# Altium PCB ГРЛМ.687253.024.PcbDoc (part 1 of 2) (continued)
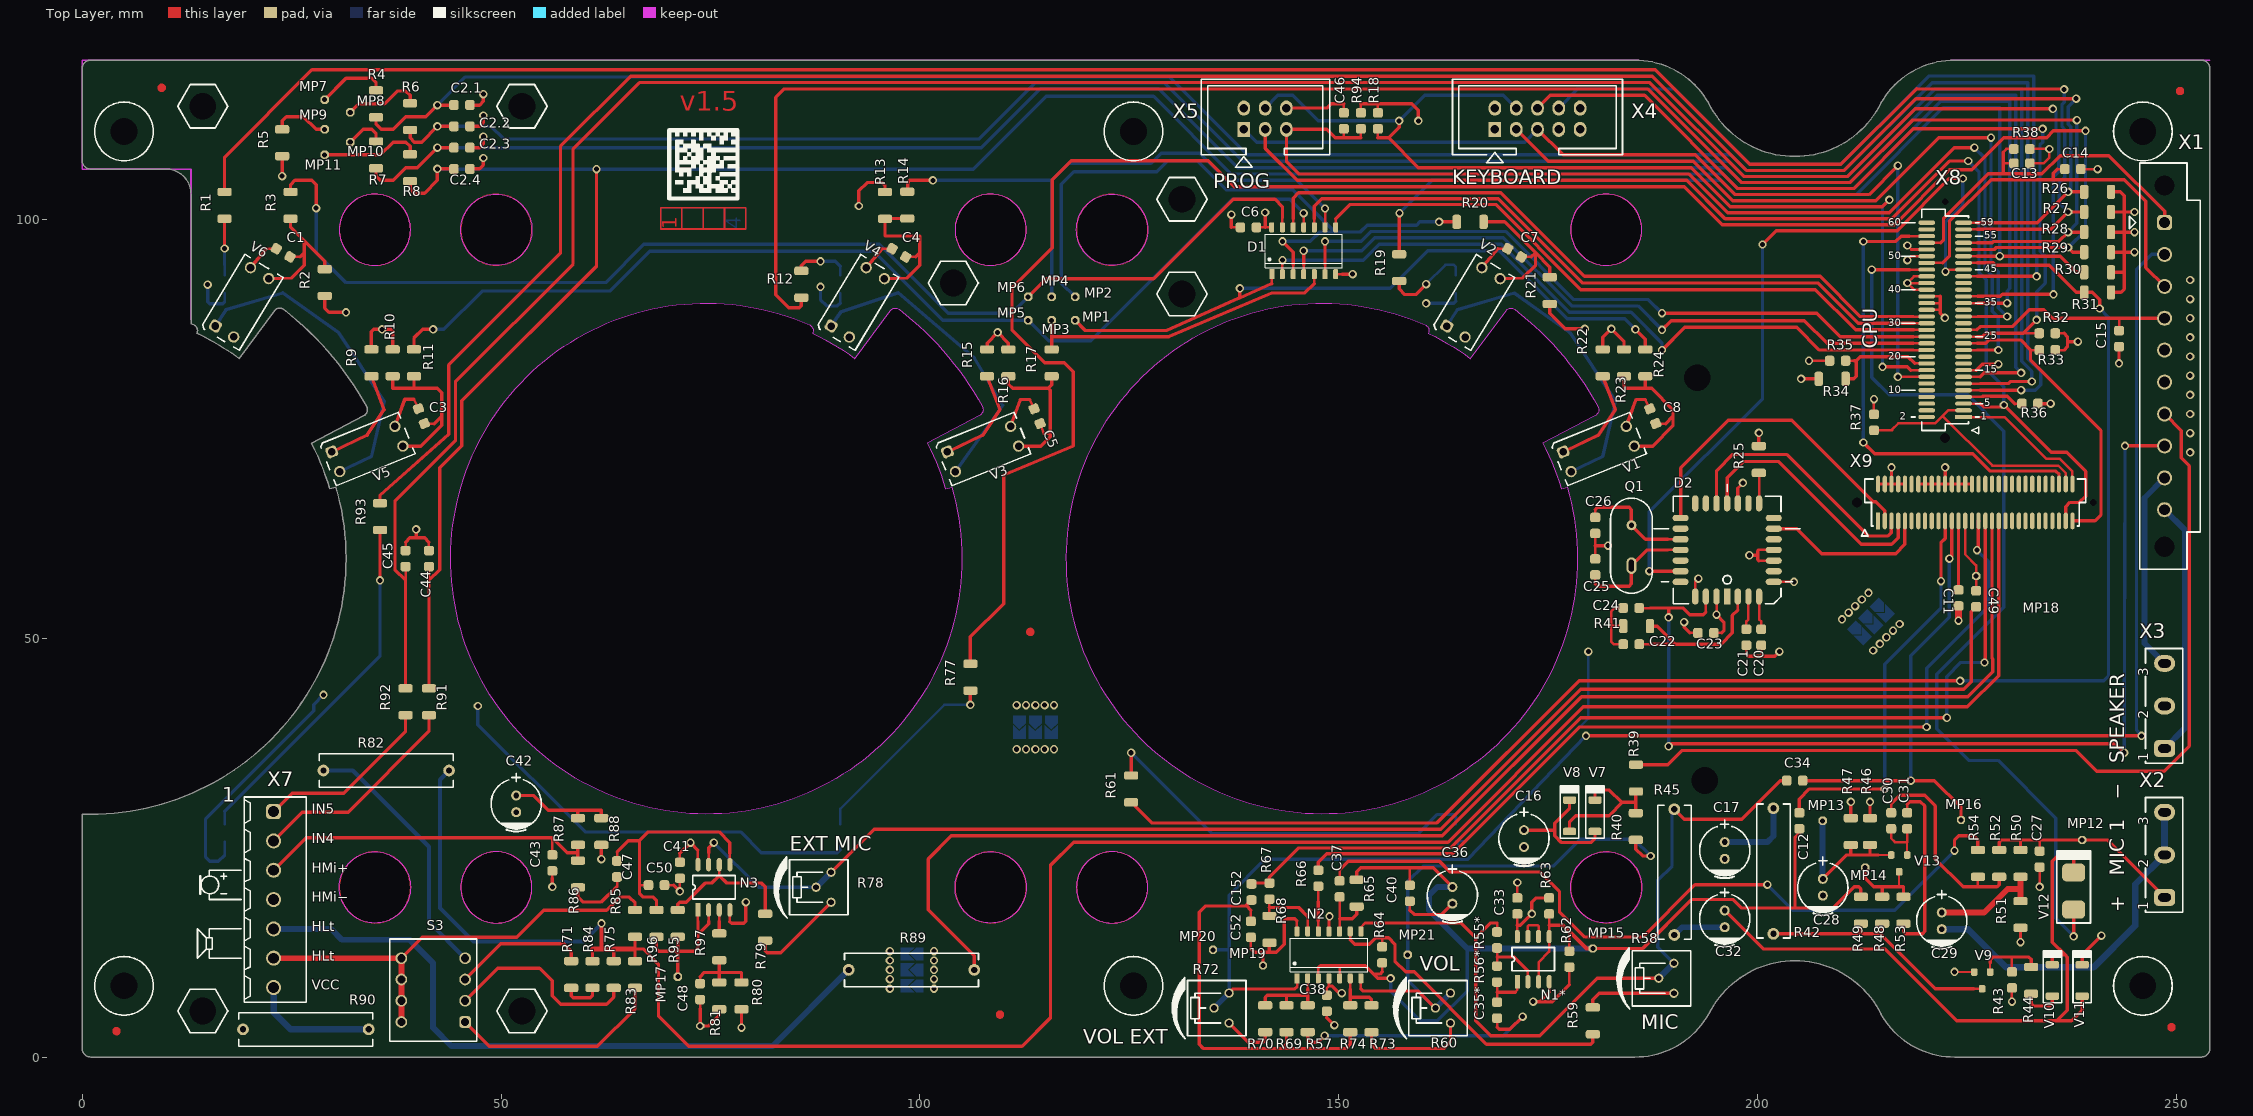
[diagram p0: Top Layer view]
## Components (designator, comment, footprint, x,y, rotation, side; value= is the part's Value field where it differs from the comment) (continued)
R48 "100K" "SMD Resistor 1206" 214.884,17.526 r270 top
R49 "4.7M" "SMD Resistor 1206" 212.344,17.526 r90 top
R50 "2.2K" "SMD Resistor 1206" 231.394,23.114 r90 top
R51 "3.3K" "SMD Resistor 1206" 231.394,17.018 r270 top
R52 "12K" "SMD Resistor 1206" 228.854,23.114 r270 top
R53 "150K" "SMD Resistor 1206" 217.424,17.526 r90 top
R54 "390Ω" "SMD Resistor 1206" 226.314,23.114 r90 top
R55* "10K" "SMD Resistor 0805" 168.91,13.97 r270 top
R56* "22K" "SMD Resistor 0805" 168.91,9.906 r270 top
R57 "47K" "SMD Resistor 1206" 146.304,4.572 r90 top
R58 "100K" "3362H SQUARE TRIMMING POTENTIOMETER" 188.214,9.398 r90 top
R59 "330Ω" "SMD Resistor 1206" 180.34,4.318 r90 top
R60 "100K" "3362H SQUARE TRIMMING POTENTIOMETER" 161.544,5.842 r90 top
R61 "1K" "SMD Resistor 1206" 125.222,32.004 r90 top
R62 "120K" "SMD Resistor 0805" 177.546,11.684 r90 top
R63 "160K" "SMD Resistor 0805" 175.133,18.034 r90 top
R64 "4.7K" "SMD Resistor 0805" 155.194,12.192 r90 top
R65 "100K" "SMD Resistor 1206" 152.146,19.558 r270 top
R66 "56K" "SMD Resistor 0805" 147.574,21.336 r270 top
R67 "56K" "SMD Resistor 0805" 141.732,19.812 r270 top
R68 "56K" "SMD Resistor 1206" 141.732,15.24 r270 top
R69 "68K" "SMD Resistor 1206" 143.764,4.572 r90 top
R70 "330Ω" "SMD Resistor 1206" 141.224,4.572 r270 top
R71 "100Ω" "SMD Resistor 1206" 58.38,9.852 r90 top
R72 "100K" "3362H SQUARE TRIMMING POTENTIOMETER" 135.128,5.842 r90 top
R73 "330Ω" "SMD Resistor 1206" 153.924,4.572 r270 top
R74 "82K" "SMD Resistor 1206" 151.384,4.572 r90 top
R75 "470Ω" "SMD Resistor 1206" 63.46,9.852 r270 top
R77 "1K" "SMD Resistor 1206" 106.037,45.335 r270 top
R78 "100K" "3362H SQUARE TRIMMING POTENTIOMETER" 87.612,20.266 r90 top
R79 "330Ω" "SMD Resistor 1206" 81.534,15.494 r270 top
R80 "120K" "SMD Resistor 1206" 78.704,7.3 r270 top
R81 "100K" "SMD Resistor 1206" 76.055,7.3 r90 top
R82 "82Ω" "RESISTOR FMP100 1W YAGEO" 36.3,34.2 r180 top
R83 "1K" "SMD Resistor 1206" 66,9.852 r270 top
R84 "120Ω" "SMD Resistor 1206" 60.92,9.852 r270 top
R85 "1K" "SMD Resistor 1206" 66,15.948 r90 top
R86 "6.8K" "SMD Resistor 1206" 59.182,21.844 r270 top
R87 "2.2K" "SMD Resistor 1206" 59.182,26.924 r90 top
R88 "3.3K" "SMD Resistor 1206" 61.976,26.924 r270 top
R89 "15Ω" "RESISTOR FMP100 1W YAGEO" 99,10.4 r180 top
R90 "15Ω" "RESISTOR FMP100 1W YAGEO" 26.7,3.3 r180 top
R91 "3.3K" "SMD Resistor 1206" 41.402,42.418 r270 top
R92 "3.3K" "SMD Resistor 1206" 38.608,42.418 r270 top
R93 "1K" "SMD Resistor 1206" 35.56,64.516 r270 top
R94 "10K" "SMD Resistor 0805" 152.654,111.76 r270 top
R95 "6.8K" "SMD Resistor 1206" 71.102,15.948 r90 top
R96 "100K" "SMD Resistor 1206" 68.562,15.948 r90 top
R97 "12K" "SMD Resistor 1206" 76.055,13.154 r90 top
S3 "DS1040-04RN" "DS1040-04 DIP SWITCH" 41.91,7.986 r90 top
V1 "OPB620" "OPB620 OPTOCOUPLER" 181.044,72.583 r22 top locked
V2 "OPB620" "OPB620 OPTOCOUPLER" 166.091,90.091 r59 top locked
V3 "OPB620" "OPB620 OPTOCOUPLER" 107.544,72.583 r22 top locked
V4 "OPB620" "OPB620 OPTOCOUPLER" 92.591,90.091 r59 top locked
V5 "OPB620" "OPB620 OPTOCOUPLER" 34.044,72.588 r22 top locked
V6 "OPB620" "OPB620 OPTOCOUPLER" 19.091,90.096 r59 top locked
V7 "LL4148-GSxx" "Diode SOD80C (Anode pin 1)" 180.6,28.8 r270 top
V8 "LL4148-GSxx" "Diode SOD80C (Anode pin 1)" 177.56,28.8 r270 top
V9 "BC856A" "Transistor BC856 SOT23 (PNP transistor)" 226.822,9.144 r0 top
V10 "LL4148-GS" "Diode SOD80C (Anode pin 1)" 235.204,9.144 r270 top
V11 "LL4148-GS" "Diode SOD80C (Anode pin 1)" 238.76,9.144 r270 top
V12 "MURS120T3x" "Diode SMB (DO-214AA)" 237.744,19.812 r270 top
V13 "BFR31" "Transistor BFR31 SOT23 (FET N-channel)" 216.916,23.114 r0 top
VCC2 "Crossing point PCB" "CROSSING POINT PCB" 99.061,10.403 r0 bottom
X1 "Connector 10 pins (universal)" "Connector 15EDGVM-3.81-10P" 248.6,82.48 r270 top locked
X2 "62395-1 (3ps)" "Faston Connector 3 x 2.8 mm" 248.6,24.13 r90 top
X3 "62395-1 (3ps)" "Faston Connector 3 x 2.8 mm" 248.6,41.91 r90 top
X4 "BH-10" BH-10 173.736,112.014 r90 top
X5 "BH-6 (DS1013-06S) (IDC-6MS)" BH-6 141.224,112.014 r90 top locked
X7 "DG381-3.5-07P" "DG381-3.5-07P Terminals" 22.86,18.796 r270 top locked
X8 "5177983-2" "CONNECTOR 5177983-2" 222.4,88 r180 top locked
X9 "5177983-2" "Connector 5177983-2" 226,66.2 r90 top locked

## Footprints (in the part's own frame and the unit in brackets; to place one, negate y for a bottom-side part, rotate by r counter-clockwise, add the part's x,y. Pads: shape width x height; smd on the part's side, far side on the other; paste and mask are expansions set on the pad)
"3362H SQUARE TRIMMING POTENTIOMETER" [mm] "Square Trimpot® Trimming Potentiometer"
  round 1.1 / inner round 1.1 / far side oval 1.1x1.3 hole 0.7: 1(-1.792,-1.8) 2(0,0) 3(1.792,-1.8)
  silkscreen extent -3.67,-3.81 3.64,4.99, body extent -3.3,-3.81 3.3,3.18, height 4.75
BH-6 [mm] "BH-6 (DS1013-06S) (IDC-6MS)"
  rect 1.8x1.5 hole 1.02: 1(-1.27,2.54)
  oval 1.8x1.5 hole 1.02: 2(1.27,2.54) 3(-1.27,0) 4(1.27,0) 5(-1.27,-2.54) 6(1.27,-2.54)
  silkscreen extent -5.78,-7.71 4.7,7.61, body extent -4.4,-7.71 4.4,7.71, height 9.05
BH-10 [mm] "BH-10 (DS1013-10S) (IDC-10MS)"
  rect 1.8x1.5 hole 1.02: 1(-1.27,5.08)
  oval 1.8x1.5 hole 1.02: 2(1.27,5.08) 3(-1.27,2.54) 4(1.27,2.54) 5(-1.27,0) 6(1.27,0) 7(-1.27,-2.54) 8(1.27,-2.54) 9(-1.27,-5.08) 10(1.27,-5.08)
  silkscreen extent -5.27,-10.15 4.7,10.15, body extent -4.3,-10.15 4.7,10.15, height 8.95
"CAPACITOR  ELECTROLYTIC 5X11MM" [mm] "Capacitor  electrolytic 5x11mm"
  round 1.2 / inner round 1.2 / far side oval 1.2x1.6 hole 0.7: 1(-1,0) 2(1,0)
  silkscreen extent -3.65,-3 3.3,3, body extent -2.75,-2.75 2.75,2.75, height 12.55
"Connector 15EDGVM-3.81-10P" [mm] "15EDGVM-3.81-10P Connector 10 poles by Degson 3.81 mm pitch"
  round 0 hole 2.4 unplated: 0(-21.565,0) 0(21.565,0)
  rrect50% 1.8x1.8 / inner round 1.8 / far side rrect50% 1.8x2.5 hole 1.3: 1(-17.145,0)
  round 1.8 / inner round 1.8 / far side oval 1.8x2.5 hole 1.3: 2(-13.335,0) 3(-9.525,0) 4(-5.715,0) 5(-1.905,0) 6(1.905,0) 7(5.715,0) 8(9.525,0) 9(13.335,0) 10(17.145,0)
  silkscreen extent -24.25,-4.19 24.24,4.26, body extent -24.25,-2.98 24.24,4.26, height 9.2
"CONNECTOR 5177983-2" [mm]
  rect 2x0.5 smd: 1(-2.2,11.6)
  oval 2x0.5 smd: 2(2.2,11.6) 3(-2.2,10.8) 4(2.2,10.8) 5(-2.2,10) 6(2.2,10) 7(-2.2,9.2) 8(2.2,9.2) 9(-2.2,8.4) 10(2.2,8.4) 11(-2.2,7.6) 12(2.2,7.6) 13(-2.2,6.8) 14(2.2,6.8) 15(-2.2,6) 16(2.2,6) 17(-2.2,5.2) 18(2.2,5.2) 19(-2.2,4.4) 20(2.2,4.4) 21(-2.2,3.6) 22(2.2,3.6) 23(-2.2,2.8) 24(2.2,2.8) 25(-2.2,2) 26(2.2,2) 27(-2.2,1.2) 28(2.2,1.2) 29(-2.2,0.4) 30(2.2,0.4) 31(-2.2,-0.4) 32(2.2,-0.4) 33(-2.2,-1.2) 34(2.2,-1.2) 35(-2.2,-2) 36(2.2,-2) 37(-2.2,-2.8) 38(2.2,-2.8) 39(-2.2,-3.6) 40(2.2,-3.6) 41(-2.2,-4.4) 42(2.2,-4.4) 43(-2.2,-5.2) 44(2.2,-5.2) 45(-2.2,-6) 46(2.2,-6) 47(-2.2,-6.8) 48(2.2,-6.8) 49(-2.2,-7.6) 50(2.2,-7.6) 51(-2.2,-8.4) 52(2.2,-8.4) 53(-2.2,-9.2) 54(2.2,-9.2) 55(-2.2,-10) 56(2.2,-10) 57(-2.2,-10.8) 58(2.2,-10.8) 59(-2.2,-11.6) 60(2.2,-11.6)
  round 0 hole 1.2 unplated: 61(0,14.1)
  round 0 hole 0.8 unplated: 62(0,-14.1)
  silkscreen extent -4,-13.2 2.8,13.6, body extent -3,-14.9 3,14.9, height 3.8
"Connector 5177983-2" [mm]
  rect 2x0.5 smd: 1(-2.2,11.6)
  oval 2x0.5 smd: 2(2.2,11.6) 3(-2.2,10.8) 4(2.2,10.8) 5(-2.2,10) 6(2.2,10) 7(-2.2,9.2) 8(2.2,9.2) 9(-2.2,8.4) 10(2.2,8.4) 11(-2.2,7.6) 12(2.2,7.6) 13(-2.2,6.8) 14(2.2,6.8) 15(-2.2,6) 16(2.2,6) 17(-2.2,5.2) 18(2.2,5.2) 19(-2.2,4.4) 20(2.2,4.4) 21(-2.2,3.6) 22(2.2,3.6) 23(-2.2,2.8) 24(2.2,2.8) 25(-2.2,2) 26(2.2,2) 27(-2.2,1.2) 28(2.2,1.2) 29(-2.2,0.4) 30(2.2,0.4) 31(-2.2,-0.4) 32(2.2,-0.4) 33(-2.2,-1.2) 34(2.2,-1.2) 35(-2.2,-2) 36(2.2,-2) 37(-2.2,-2.8) 38(2.2,-2.8) 39(-2.2,-3.6) 40(2.2,-3.6) 41(-2.2,-4.4) 42(2.2,-4.4) 43(-2.2,-5.2) 44(2.2,-5.2) 45(-2.2,-6) 46(2.2,-6) 47(-2.2,-6.8) 48(2.2,-6.8) 49(-2.2,-7.6) 50(2.2,-7.6) 51(-2.2,-8.4) 52(2.2,-8.4) 53(-2.2,-9.2) 54(2.2,-9.2) 55(-2.2,-10) 56(2.2,-10) 57(-2.2,-10.8) 58(2.2,-10.8) 59(-2.2,-11.6) 60(2.2,-11.6)
  round 0 hole 1.2 unplated: 61(0,14.1)
  round 0 hole 0.8 unplated: 62(0,-14.1)
  silkscreen extent -4,-13.2 2.8,13.6, body extent -3,-14.9 3,14.9, height 3.8
"CROSSING POINT PCB" [mm]
  rect 0.7x1.4 smd paste+0 mask+0: 1(0.95,-1.905) 1(0.95,0) 1(0.95,1.905) 2(-0.95,-1.905) 2(-0.95,0) 2(-0.95,1.905)
  Top Layer region: -0.25,-1.905 0.5,-2.655 1.35,-2.655 1.35,-1.155 0.5,-1.155
  Top Layer region: -1.35,-1.155 0.254,-1.155 -0.502,-1.911 0.254,-2.667 -1.35,-2.667
  Top Layer region: -1.35,0.75 0.254,0.75 -0.502,-0.006 0.254,-0.762 -1.35,-0.762
  Top Layer region: -0.25,0 0.5,-0.75 1.35,-0.75 1.35,0.75 0.5,0.75
  Top Layer region: -1.35,2.655 0.254,2.655 -0.502,1.899 0.254,1.143 -1.35,1.143
  Top Layer region: -0.25,1.905 0.5,1.155 1.35,1.155 1.35,2.655 0.5,2.655
"DG381-3.5-07P Terminals" [mm] "DG381-3.5-07P Terminal 7 poles by Degson 3.5 mm pitch"
  rrect50% 1.8x1.8 / inner round 1.8 / far side rrect50% 1.8x2.5 hole 1.3: 1(-10.5,0)
  round 1.8 / inner round 1.8 / far side oval 1.8x2.5 hole 1.3: 2(-7,0) 3(-3.5,0) 4(0,0) 5(3.5,0) 6(7,0) 7(10.5,0)
  silkscreen extent -12.25,-3.5 12.26,3.9, body extent -12.66,-3.5 12.26,3.9, height 8.65
"Diode SMB (DO-214AA)" [mm]
  rrect50% 2.159x2.743 smd: 1(2.21,0) 2(-2.21,0)
  silkscreen extent -4.83,-2.03 3.81,2.03, body extent -2.8,-2 2.8,2, height 2.6
"Diode SOD80C (Anode pin 1)" [mm] "Diode SMA (Anode pin 1)"
  rrect50% 0.9x1.6 smd: 1(1.875,0) 2(-1.875,0)
  silkscreen extent -3.56,-1.2 2.67,1.2, body extent -1.85,-0.8 1.85,0.8, height 1.58
"DS1040-04 DIP SWITCH" [mm] "DS1040-04 DIP-switch 4 channels NO by Connfly"
  rrect50% 1.4x1.4 / inner round 0 / far side rrect50% 1.5x2 hole 0.97: 1(-3.81,-3.81)
  round 1.4 / inner round 0 / far side oval 1.5x2 hole 0.97: 2(-1.27,-3.81) 3(1.27,-3.81) 4(3.81,-3.81) 5(3.81,3.81) 6(1.27,3.81) 7(-1.27,3.81) 8(-3.81,3.81)
  silkscreen extent -6.1,-5.21 6.1,5.21, body extent -5.81,-4.95 5.81,4.95, height 6.85
"Faston Connector 3 x 2.8 mm" [mm] "Connector: 3 x Faston Pin 2.8 mm"
  rrect50% 2x2.5 / inner rrect50% 1.6x2 / far side rrect50% 2x2.5 hole 1.5 slot 1 at 0 deg: 1(-5.08,0)
  oval 2x2.5 / inner oval 1.6x2 / far side oval 2x2.5 hole 1.5 slot 1 at 0 deg: 2(0,0) 3(5.08,0)
  silkscreen extent -6.86,-2.16 6.86,2.29, body extent -5.33,-1.98 5.33,1.98, height 8.45
"HC-49U QUARTZ CRYSTAL RESONATOR" [mm] "HC-49/U Standard Quartz Crystal"
  round 1.2 / inner round 0 / far side round 1.2 hole 0.6: 1(-2.44,0)
  oval 2x1.2 / inner round 0 / far side oval 2x1.2 hole 0.6 slot 1.4 at 0 deg: 2(2.382,0)
  silkscreen extent -5.67,-2.5 5.67,2.5, body extent -5.67,-2.5 5.68,2.5, height 3.8
"LED SMD FYLS-0805URC" [mm] "FYLS-0805URC LED SMD"
  rrect50% 1.2x1.2 smd: 1(-1.05,0) 2(1.05,0)
  silkscreen extent 1.85,-0.7 2.25,0.7, body extent -1,-0.62 1,0.63, height 0.81
"OPB620 OPTOCOUPLER" [mm] "OPB620 Optocoupler by TT Electronics"
  rrect50% 1.35x1.35 / inner rrect50% 1.35x1.35 / far side rrect50% 1.7x1.7 hole 0.9: 1(-4.065,1.27)
  round 1.35 / inner round 1.35 / far side round 1.7 hole 0.9: 2(-4.065,-1.27) 3(4.065,-1.27) 4(4.065,1.27)
  silkscreen extent -5.08,-2.67 5.08,2.67, body extent -4.95,-2.66 4.96,2.67, height 9.27
"PLCC28 SMD" [mm]
  rect 0.76x1.92 smd: 1(0,5.56)
  oval 0.76x1.92 smd: 2(-1.27,5.56) 3(-2.54,5.56) 4(-3.81,5.56) 12(-3.81,-5.56) 13(-2.54,-5.56) 14(-1.27,-5.56) 15(0,-5.56) 16(1.27,-5.56) 17(2.54,-5.56) 18(3.81,-5.56) 26(3.81,5.56) 27(2.54,5.56) 28(1.27,5.56)
  oval 1.92x0.76 smd: 5(-5.56,3.81) 6(-5.56,2.54) 7(-5.56,1.27) 8(-5.56,0) 9(-5.56,-1.27) 10(-5.56,-2.54) 11(-5.56,-3.81) 19(5.56,-3.81) 20(5.56,-2.54) 21(5.56,-1.27) 22(5.56,0) 23(5.56,1.27) 24(5.56,2.54) 25(5.56,3.81)
  silkscreen extent -6.42,-6.42 6.42,6.42, body extent -6.22,-6.22 6.23,6.23, height 4.57
"Resistor FMP100 1W Yageo" [mm] "Film Resistor FMP100 1W horisontal 10.16 mm by Yageo"
  round 1.4 / inner round 0 / far side round 1.6 hole 0.75: 1(-7.5,0) 2(7.5,0)
  silkscreen extent -8,-2 8,2, body extent -7.78,-2 7.78,2, height 4.5
"RESISTOR FMP100 1W YAGEO" [mm] "Film Resistor FMP100 1W horisontal 10.16 mm by Yageo"
  round 1.4 / inner round 1.1 / far side round 1.6 hole 0.75: 1(-7.5,0) 2(7.5,0)
  silkscreen extent -8,-2 8,2, body extent -7.78,-2 7.78,2, height 4.5
"SMD Capacitor 0805" [mm] "Without marking on surface"
  rrect50% 1.14x1.2 smd: 1(-0.955,0) 2(0.955,0)
  body extent -1.02,-0.63 0.98,0.62, height 0.8
"SMD Resistor 0805" [mm] "Without marking on surface"
  rrect50% 1.14x1.2 smd: 1(-0.955,0) 2(0.955,0)
  body extent -1,-0.62 1,0.63, height 0.6
"SMD Resistor 1206" [mm]
  rrect50% 1x1.7 smd: 1(-1.6,0) 2(1.6,0)
  body extent -1.65,-0.85 1.65,0.85, height 0.65
"SO8 (SOIC-8)" [mm]
  rect 1.6x0.6 smd: 1(-2.7,1.905)
  oval 1.6x0.6 smd: 2(-2.7,0.635) 3(-2.7,-0.635) 4(-2.7,-1.905) 5(2.7,-1.905) 6(2.7,-0.635) 7(2.7,0.635) 8(2.7,1.905)
  silkscreen extent -1.4,-2.54 1.4,2.54, body extent -3.02,-2.51 3.02,2.51, height 1.6
SO14 [mm] "SOIC; 14 Leads; Body Width 3.8 mm; Pitch 1.27 mm"
  rect 0.6x1.2 smd: 1(-3.81,-2.8)
  rrect50% 0.6x1.2 smd: 2(-2.54,-2.8) 3(-1.27,-2.8) 4(0,-2.8) 5(1.27,-2.8) 6(2.54,-2.8) 7(3.81,-2.8) 8(3.81,2.8) 9(2.54,2.8) 10(1.27,2.8) 11(0,2.8) 12(-1.27,2.8) 13(-2.54,2.8) 14(-3.825,2.8)
  silkscreen extent -4.6,-2 4.6,2, body extent -4.4,-3 4.4,3, height 1.7
"TEST POINT SMD" [mm]
  oct 1x1 / inner round 0 / far side oct 1x1 hole 0.6: 1(0,0)
"Transistor BC856 SOT23 (PNP transistor)" [mm] "Transistor BC856 PNP Transistor"
  rrect50% 0.8x0.9 smd: 1(0.95,1) 2(-0.95,1) 3(0,-1)
  body extent -1.46,-1.16 1.46,1.18, height 1
"Transistor BFR31 SOT23 (FET N-channel)" [mm] "Transistor BFR31 SOT23 (FET N-channel)"
  rrect50% 0.8x0.9 smd: 1(0.95,1) 2(-0.95,1) 3(0,-1)
  body extent -1.46,-1.16 1.46,1.18, height 1

## Part data
+5V GND VCC2: "Crossing point"
C1 C3 C4 C5 C7 C8 C27 C43 C50: library part Capacitor, Partnumber=CC0805JRNPO0BN102, Type="Конденсатор керамический 1нФ 5% 100В COG SMD 0805", Vendor=Yageo
C2.1 C2.2 C2.3 C2.4: library part Capacitor, Partnumber=AC0805JRNPO0BN102, Type="Конденсатор керамический 1 нФ 10% 100В SMD 0805", Vendor=Yageo
C6 C11 C12 C13 C20 C21 C31 C35*: library part Capacitor, Partnumber=CC0805KRX7R9BB104, Vendor=Yageo
  C6 C11 C12 C13 C20 C21 C35*: Type="Конденсатор керамический 100 нФ 5% 50В SMD 0805"
  C31: Type="Конденсатор керамический 100 нФ 10% 100В X7R SMD 1206"
C14 C22 C44 C45 C46: library part Capacitor, Partnumber=CC0805JRNPO9BN152, Type="Конденсатор керамический 1,5 нФ 5% 50В SMD 0805", Vendor=Yageo
C15 C23 C33 C34 C37 C38 C40 C41 C49: library part Capacitor, Partnumber=CC0805KRX7R9BB103, Type="Конденсатор керамический 10 нФ 5% 50В SMD 0805", Vendor=Yageo
C16 C17 C28 C29 C32 C42: library part "Capacitor Electrolytic", "Capacitor Electrolytic", Partnumber="К50-35-100В-4,7мкФ 5х11мм", Type="Конденсатор электролитический 4,7 мкФ ±20% 100В"
C24: library part Capacitor, Partnumber=CC0805KRX7R9BB223, Type="Конденсатор керамический 22 нФ 5% 50В SMD 0805", Vendor=Yageo
C25 C26: library part Capacitor, Partnumber=CC0805JRNPO0BN330, Type="Конденсатор керамический 33 пФ 5% 100В COG SMD", Vendor=Yageo
C30 C48: library part Capacitor, Partnumber=GRM31MR72A224KA01L, Type="Конденсатор керамический 220 нФ 10% 100В X7R SMD 1206", Vendor=Murata
C36: library part "Capacitor Electrolytic", "Capacitor Electrolytic", Partnumber="К50-35-100В-1мкФ 5х11мм", Type="Конденсатор электролитический 1 мкФ ±20% 100В"
C47: library part Capacitor, Partnumber=CC1206KKX7R0BB104, Type="Конденсатор керамический 100 нФ 10% 100В X7R SMD 1206", Vendor=Yageo
C52 C152: library part Capacitor, Partnumber=GRM21BR71C105K, Type="Конденсатор керамический smd 1 мкФ X7R 10% 16В 0805", Vendor=Yageo
D1: "Hex inverting Schmitt trigger", Package=SOIC14, Partnumber=74HC14D, Type="Шесть инверторов с триггером Шмитта (5V логика)", Vendor="Philips Semiconductors"
D2: library part "MT9172 (PLCC28)", "Digital Subscriber Interface Circuit. Digital Network ISDN Interface Circuit. Full duplex digital  transmitter up to 160 kbit/s.", Package=PLCC28, ComponentLink1Description=ComponentLink1URL, ComponentLink1URL=null, Partnumber=MT9172, Type="Микросхема цифрового интерфейса ISDN", Vendor=MITEL
H1 H2 H3 H4 H5 H6: library part Diode_LED, "Diode_LED", Partnumber=FYLS-0805URC, Type="Светодиод красный SMD", Vendor=Foryard
MP1 MP2 MP3 MP4 MP5 MP6 MP7 MP8 MP9 MP10 MP11 MP12 MP13 MP14 MP15 MP16 MP17 MP18 MP19 MP20 MP21: "SMD Test Point"
N1* N3: library part LMV358D, "Low-power dual operational amplifiers / SO-14", Package=SOIC8, ComponentLink1URL=\STM32F429.pdf, Partnumber=LMV358ID, Type="Операционный усилитель сдвоенный", Vendor=TI
N2: library part LM2902D(DT), "Low-power quad operational amplifiers / SO-14", Package=SOIC14, Partnumber=LM2902D(DT), Type="Операционный усилитель LM2902", Vendor=NXP
Q1: library part "Quartz resonator", "Quartz-crystal resonator", Partnumber="HC49-U 10.24MHz"
R1 R12 R19 R40 R61 R77 R83 R85 R93: library part Resistor, Partnumber=RC1206JR-071KL, Power dissipation=0.25W, Type="Резистор 1,0 кОм 5% 0,25Вт SMD 1206", Vendor=Yageo
R2 R10 R13 R16 R21 R23 R25: library part Resistor, Partnumber=RC1206JR-075K6L, Power dissipation=0.25W, Type="Резистор 5,6 кОм 5% 0,25Вт SMD 1206", Vendor=Yageo
R3 R11 R14 R17 R20 R24 R41 R54: library part Resistor, Partnumber=RC1206JR-07390RL, Power dissipation=0.25W, Type="Резистор 390 Ом 5% 0,25Вт SMD 1206", Vendor=Yageo
R4 R6 R7 R8 R51 R88 R91 R92: library part Resistor, Partnumber=RC1206JR-073K3L, Power dissipation=0.25W, Type="Резистор 3,3 кОм 5% 0,25Вт SMD 1206", Vendor=Yageo
R5 R59 R70 R73 R79: library part Resistor, Partnumber=RC1206JR-07330RL, Power dissipation=0.25W, Type="Резистор 330 Ом 5% 0,25Вт SMD 1206", Vendor=Yageo
R9 R15 R22: library part Resistor, Partnumber=RC1206JR-07560RL, Power dissipation=0.25W, Type="Резистор 560 Ом 5% 0,25Вт SMD 1206", Vendor=Yageo
R18 R32 R33 R35 R36 R37 R55* R94: library part Resistor, Partnumber=RC0805JR-0710KL, Power dissipation=0.125W, Type="Резистор 10 кОм 5% 0,125Вт SMD 0805", Vendor=Yageo
R26 R27 R28 R29 R30 R31: library part Resistor, Partnumber=RC1206JR-071K5L, Power dissipation=0.25W, Type="Резистор 1,5 кОм 5% 0,25Вт SMD 1206", Vendor=Yageo
R34 R48 R65 R81 R96: library part Resistor, Partnumber=RC1206JR-07100KL, Power dissipation=0.25W, Type="Резистор 100 кОм 5% 0,25Вт SMD 1206", Vendor=Yageo
R38: library part Resistor, Partnumber=RC0805JR-07220KL, Power dissipation=0.125W, Type="Резистор 220 кОм 5% 0,125Вт SMD 0805", Vendor=Yageo
R39 R50 R87: library part Resistor, Partnumber=RC1206JR-072K2L, Power dissipation=0.25W, Type="Резистор 2.2 кОм 5% 0,25Вт SMD 1206", Vendor=Yageo
R42: library part Resistor, Partnumber=FMP100JR-52-220R, Power dissipation=1W, Type="Резистор металлоплёночный 221 Ом 1% 1Вт", Vendor=Yageo
R43 R56*: library part Resistor, Partnumber=RC0805JR-0722KL, Power dissipation=0.125W, Type="Резистор 22 кОм 5% 0,125Вт SMD 0805", Vendor=Yageo
R44: library part Resistor, Partnumber=RC1206JR-07680RL, Power dissipation=0.25W, Type="Резистор 680 Ом 5% 0,25Вт SMD 1206", Vendor=Yageo
R45: library part Resistor, Partnumber=FMP100JR-52-750R, Power dissipation=1W, Type="Резистор металлоплёночный 750 Ом 1% 1Вт", Vendor=Yageo
R46 R69: library part Resistor, Partnumber=RC1206JR-0768KL, Power dissipation=0.25W, Type="Резистор 68 кОм 5% 0,25Вт SMD 1206", Vendor=Yageo
R47: library part Resistor, Partnumber=RC1206JR-0715KL, Power dissipation=0.25W, Type="Резистор 15 кОм 5% 0,25Вт SMD 1206", Vendor=Yageo
R49: library part Resistor, Partnumber=RC1206JR-074M7L, Power dissipation=0.25W, Type="Резистор 4,7 МОм 5% 0,25Вт SMD 1206", Vendor=Yageo
R52 R97: library part Resistor, Partnumber=RC1206JR-0712KL, Power dissipation=0.25W, Type="Резистор 12 кОм 5% 0,25Вт SMD 1206", Vendor=Yageo
R53: library part Resistor, Partnumber=RC1206JR-07150KL, Power dissipation=0.25W, Type="Резистор 150 кОм 5% 0,25Вт SMD 1206", Vendor=Yageo
R57: library part Resistor, Partnumber=RC1206JR-0747KL, Power dissipation=0.25W, Type="Резистор 47 кОм 5% 0,25Вт SMD 1206", Vendor=Yageo
R58 R60 R72 R78: library part "Resistor adjustable", Partnumber=3362H-1-104LF, Type="Резистор подстроечный", Vendor=Bourns
R62: library part Resistor, Partnumber=RC0805FR-07120KL, Power dissipation=0.125W, Type="Резистор 120 кОм 1% 0,125Вт SMD 0805", Vendor=Yageo
R63: library part Resistor, Partnumber=RC0805FR-07160KL, Power dissipation=0.125W, Type="Резистор 160 кОм 1% 0,125Вт SMD 0805", Vendor=Yageo
R64: library part Resistor, Partnumber=RC0805JR-074K7L, Power dissipation=0.125W, Type="0.125Вт 0805 4.7 кОм, 5%, Чип резистор (SMD)", Vendor=Yageo
R66 R67: library part Resistor, Partnumber=RC0805JR-0756KL, Power dissipation=0.125W, Type="Резистор 56 кОм 5% 0,125Вт SMD 0805", Vendor=Yageo
R68: library part Resistor, Partnumber=RC1206JR-0756KL, Power dissipation=0.25W, Type="Резистор 56 кОм 5% 0,25Вт SMD 1206", Vendor=Yageo
R71: library part Resistor, Partnumber=RC1206JR-07100RL, Power dissipation=0.25W, Type="Резистор 100 Ом 5% 0,25Вт SMD 1206", Vendor=Yageo
R74: library part Resistor, Partnumber=RC1206JR-0782KL, Power dissipation=0.25W, Type="Резистор 82 кОм 5% 0,25Вт SMD 1206", Vendor=Yageo
R75: library part Resistor, Partnumber=RC1206JR-07470RL, Power dissipation=0.25W, Type="Резистор 470 Ом 5% 0,25Вт SMD 1206", Vendor=Yageo
R80: library part Resistor, Partnumber=RC1206JR-07120KL, Power dissipation=0.25W, Type="Резистор 120 кОм 5% 0,25Вт SMD 1206", Vendor=Yageo
R82: library part Resistor, Partnumber=FMP100JT-52-82R, Power dissipation=1W, Type="Резистор металлоплёночный 82 Ом 5% 1Вт", Vendor=Yageo
R84: library part Resistor, Partnumber=RC1206JR-07120RL, Power dissipation=0.25W, Type="Резистор 120 Ом 5% 0,25Вт SMD 1206", Vendor=Yageo
R86 R95: library part Resistor, Partnumber=RC1206JR-076K8L, Power dissipation=0.25W, Type="Резистор 6,8 кОм 5% 0,25Вт SMD 1206", Vendor=Yageo
R89 R90: library part Resistor, Partnumber=FMP100JT-52-15R, Power dissipation=1W, Type="Резистор металлоплёночный 15 Ом 5% 1Вт", Vendor=Yageo
S3: library part "DIP-SWITCH DS1040-04RN", "DIP-switch, 4 NO Groups, by Connfly", Partnumber=DS1040-04RN, Type="DIP-переключатель 4-канальный, НР", Vendor=Connfly
V1 V2 V3 V4 V5 V6: "Slotted Optical Switch 890 nm", Partnumber=OPB620, Type="Щелевой оптрон", Vendor="OPTEK Technology"
V7 V8: library part Diode, "Diode", Partnumber=LL4148-GSxx, Type="Диод ультрабыстрый SMD MELF", Vendor=Vishay
V9: library part "Transistor PNP", "Base - 1, Emitter - 2, Collector - 3", Partnumber=BC856A, Type="Транзистор BC856A SMD SOT23", Vendor=Philips
V10 V11: library part Diode, "LL4148-GS MELF Package", Package="MiniMELF Glass case (SOD80)", Partnumber=LL4148-GSxx, Type="Small Signal Fast Switching Diode", Vendor=Vishay
V12: library part Diode, "LL4148-GS MELF Package", Package="SMB (DO?214AA)", Partnumber=MURS120T3x, Type="ULTRAFAST POWER RECTIFIER", Vendor="ON Semiconductor"
V13: library part "Transistor FET N-channel", "Drain - 1, Source - 2, Gate - 3", Partnumber=BFR31, Type="Транзистор N-канальный полевой SMD SOT23", Vendor=Philips
X1: Partnumber=15EDGVM-3.81-10P-14, Type="Соединитель 10 контактов. Шаг 3,81 мм.", Vendor=Degson
X2 X3: library part "Connector 3 pins (universal)", Partnumber="62395-1 (3 ps)", Type="FASTON-110, 3-поз., ширина лезвия: 2,8mm", Vendor="TE Connectivity"
X4: library part "Connector 10 pins (universal)", Partnumber="BH-10 (DS1013-10S) (IDC-10MS)", Type="Соединитель для подключения внешнего шлейфа с шагом 1.27мм", Vendor=Connfly
X5: library part "Connector 6 pins (universal)", Partnumber="BH-6 (DS1013-06S) (IDC-6MS)", Type="Соединитель 6 контактов.", Vendor=Connfly
X7: library part "Connector 7 pins (universal)", Partnumber=DG381-3.5-07P, Type="Соединитель клеммный винтовой 7 полюсов", Vendor=Degson
X8 X9: library part "Connector 60 pins (universal)", Partnumber=5177983-2, Type="Соединитель 60 полюсов", Vendor=TE

## Free pads (board coordinates)
  round 0 hole 3.2 unplated: 0(5,8.5) 0(5,110.5) 0(14.4,5.5) 0(14.4,113.5) 0(52.5,5.5) 0(52.5,113.5) 0(104,92.4) 0(125.5,8.5) 0(125.5,110.5) 0(131.3,91.1) 0(131.3,102.4) 0(192.8,81.1) 0(193.7,33) 0(246,8.5) 0(246,110.5)

## Via types
v1: diameter 1, hole 0.6, Top Layer to Bottom Layer, tented both sides, 198 vias

## Nets (pads, with @x,y where several pads share a name; then routed paths per layer and width w, separated by ;. In a path a pad name is that pad's centre, name@x,y a point inside that pad or via, vN(x,y) a via of type N, cw(c..) or ccw(c..) an arc to the next point about the centre after c; other vN are vias at no path point)
+5V: +5V.2 C33.2 C38.2 N1*.8 N2.4 R43.2 R47.2 R51.2 R63.2 V9.2 V11.2 VCC2.1 | length 24.7
  Top Layer w0.25: v1(223.52,10.16) V9.2@225.872,10.16
  Top Layer w0.3: C38.2@148.59,7.366 148.59,8.222 148.844,8.476 N2.4@148.844,9.392 ; N1*.8@171.323,14.384 171.323,15.731 C33.2@171.323,17.079 ; v1(230.378,6.604) R43.2@230.378,8.25
  Top Layer w0.4: 148.844,8.476 149.225,8.476 150.081,7.62 v1(150.368,7.62) ; 171.323,15.731 171.687,15.731 v1(173.056,17.1) 173.056,18.456 173.589,18.989 R63.2@175.133,18.989 ; R47.2@211.14,28.514 v1(211.14,30.47) ; v1(231.394,13.716) R51.2@231.394,15.418 ; V11.2@238.76,11.019 238.76,12.192 v1(241.046,14.478)
  other v1: 101.691,8.171 101.691,9.287 101.691,10.403 101.691,11.519 101.691,12.635 111.56,36.74 112.676,36.74 113.792,36.74 114.908,36.74 116.024,36.74
+VM: C12.2 C36.1 C40.2 MP15.1 N1*.3 N1*.5 N2.3 N2.5 R49.2 R62.2 R63.1 R64.1 R65.1 | length 139.1
  Top Layer w0.3: N2.3@147.574,9.392 147.574,10.668 ; N2.5@150.114,9.392 150.114,10.922 ; 155.194,10.16 R64.1@155.194,11.237 ; C40.2@158.496,20.513 158.496,22.606 ; N1*.3@173.863,8.984 173.863,11.303 175.133,12.573 N1*.5@175.133,14.384 175.133,15.732 R63.1@175.133,17.079 ; R62.2@177.546,12.639 177.546,14.986
  Top Layer w0.4: 147.574,10.668 147.828,10.922 150.114,10.922 153.162,10.922 154.178,9.906 ; R65.1@152.146,21.158 152.146,22.098 152.654,22.606 158.496,22.606 161.274,22.606 C36.1@163.576,20.304 ; 155.194,10.16 154.94,9.906 154.178,9.906 ; v1(156.21,9.398) 154.686,9.398 154.178,9.906 ; MP15.1@180.34,12.954 186.274,12.954 192.116,18.796 197.104,18.796 198.12,17.78 204.47,17.78 ; C12.2@205,27.239 205,26.692 204.47,26.162 204.47,17.78 ; R49.2@212.344,19.126 212.344,20.066 212.09,20.32 211.546,20.32 209.006,17.78 204.47,17.78
  Top Layer w0.43: 175.133,15.732 176.8,15.732 177.546,14.986 179.578,12.954 MP15.1@180.34,12.954
  Bottom Layer w0.4: v1(156.21,9.398) 156.21,7.874 159.766,4.318 161.798,4.318 165.354,7.874 165.354,12.954
  Bottom Layer w0.7: C36.1@163.576,20.304 161.782,20.304 160.782,19.304 160.782,17.526 165.354,12.954 MP15.1@180.34,12.954
AGND: C11.1 C16.2 C17.2 C27.1 C28.2 C29.2 C33.1 C36.2 C38.1 C40.1 C41.1 C42.2 C43.1 C48.1 C50.1 GND.2 N1*.4 N2.11 N3.4 R46.1 R62.1 R81.1 X2.2 X2.3 X7.4 | length 88.9
  Top Layer w0.3: 56.134,21.336 C43.1@56.134,22.22 ; C50.1@69.517,20.52 70.615,20.52 ; v1(71.356,19.779) C41.1@71.356,21.343 ; 73.769,5.776 C48.1@73.769,6.853 ; 77.325,16.16 N3.4@77.325,17.566 ; 148.59,4.699 C38.1@148.59,5.456 ; 158.496,17.526 C40.1@158.496,18.603 ; C33.1@171.323,18.989 v1(171.323,20.828) ; 175.133,7.747 N1*.4@175.133,8.984 ; 177.546,8.636 R62.1@177.546,10.729 ; v1(233.68,20.32) C27.1@233.68,22.667
  Top Layer w0.4: v1(56.134,20.32) 56.134,21.336 ; 70.615,20.52 v1(71.356,19.779) ; 73.769,5.776 v1(73.769,3.7) 74.741,3.7 76.055,5.014 R81.1@76.055,5.7 ; 77.325,16.16 77.537,15.948 78.976,15.948 79.23,16.202 v1(79.23,18.488) ; 148.59,4.699 v1(149.479,3.81) ; N2.11@148.844,14.992 148.844,16.744 v1(148.9,16.8) ; 158.496,17.526 159.004,17.018 162.29,17.018 C36.2@163.576,18.304 ; v1(173.228,6.604) 173.99,6.604 ; 175.133,7.747 173.99,6.604 ; 177.546,8.636 175.514,6.604 173.99,6.604 ; R46.1@213.426,28.514 v1(213.426,30.47)
  Top Layer w0.8: v1(224,52.1) C11.1@224,53.845
  Bottom Layer w0.3: v1(216.966,51.691) v1@216.966,51.73
  Bottom Layer w0.8: C29.2@221.996,15.256 225.144,15.256 229.7,10.7 240.1,10.7 245.1,15.7 245.1,20.63 X2.2@248.6,24.13 X2.3@248.6,29.21
  other v1: 213.81,48.534 214.599,49.323 215.388,50.112 216.177,50.901
C4: D2.19 X9.3 | length 38.4
  Top Layer w0.4: D2.19@190.82,64.344 190.82,70.32 196.5,76 204.1,76 213.8,66.3 214.1,66.3 215.2,65.2 X9.3@215.2,64
C\S\H\P\: X8.56 X9.56 | length 57.9
  Top Layer w0.3: 218.12,98 X8.56@220.2,98
  Top Layer w0.4: v1(212.636,73.36) 213.996,72 225.721,72 227.771,69.95 235.631,69.95 236,69.581 X9.56@236,68.4 ; v1(212.636,97.36) 216.52,97.36 217.16,98 218.12,98
  Bottom Layer w0.4: v1(212.636,73.36) v1(212.636,97.36)
C\S\R\E\L\: C15.2 X1.4 X8.27 | length 26.9
  Top Layer w0.3: X8.27@224.6,86.8 226.2,86.8 ; C15.2@243.16,86.715 243.16,88.195
  Top Layer w0.4: 226.2,86.8 226.6,87.2 230.44,87.2 232.44,89.2 234.2,89.2 235.206,88.195 243.16,88.195 X1.4@248.6,88.195
C\T\R\L\: C14.2 X1.3 X8.48 | length 47.2
  Top Layer w0.3: X8.48@220.2,94.8 222.12,94.8 ; 235.8,106 C14.2@236.685,106
  Top Layer w0.4: 222.12,94.8 222.92,95.6 222.92,99.76 227.88,104.72 235.32,104.72 ; 235.8,106 235.32,105.52 235.32,104.72 ; X1.3@248.6,92.005 246.36,94.245 246.36,102.16 243.8,104.72 235.32,104.72
CSISPK: V12.1 X8.46 | length 113.5
  Top Layer w0.3: 218.2,94 X8.46@220.2,94
  Top Layer w0.4: v1(213.64,94) 218.2,94 ; v1(237.744,14.4) V12.1@237.744,17.602
  Bottom Layer w0.4: v1(213.64,94) 213.64,81.12 215.72,79.04 225.08,79.04 229.39,74.731 229.39,53.69 221.4,45.7 221.4,39.2 225.2,35.4 228.714,35.4 235.6,28.514 235.6,16.544 v1(237.744,14.4)
CSXSPK: C13.1 R38.1 X1.1 X8.54 | length 43.6
  Top Layer w0.3: X8.54@220.2,97.2 221.88,97.2 ; 229.325,106.723 230.565,106.723 C13.1@230.605,106.683 ; 229.325,108.005 229.72,108.4 R38.1@230.605,108.4
  Top Layer w0.4: 221.88,97.2 222.2,97.52 222.2,100.08 227.56,105.44 229.325,105.44 ; 229.325,108.005 229.325,106.723 229.325,105.44 ; X1.1@248.6,99.625 248.6,100.96 241.96,107.6 236.12,107.6 233.96,105.44 229.325,105.44
DGND: C1.1 C2.1.2 C2.2.2 C2.3.2 C2.4.2 C3.1 C4.1 C5.1 C6.1 C7.1 C8.1 C13.2 C14.1 C15.1 C23.1 C25.1 C26.1 C44.1 C45.1 C46.1 D1.7 D2.7 D2.8 D2.14 D2.26 GND.1 R5.2 R26.1 R27.1 R28.1 R29.1 R30.1 R31.1 R34.1 R38.2 V1.4 V2.2 V2.4 V3.4 V4.2 V4.4 V5.4 V6.2 V6.4 X1.6 X4.9 X4.10 X5.6 X8.34 X8.36 X8.38 X8.50 X9.14 X9.16 X9.18 X9.20 X9.22 X9.24 X9.26 X9.28 X9.30 | length 135
  Top Layer w0.3: 21.992,96.497 C1.1@23.181,96.497 ; C45.1@38.608,60.455 38.608,61.468 ; 39.608,78.505 C3.1@40.142,77.39 ; C44.1@41.402,60.455 41.402,61.468 ; 95.492,96.492 C4.1@96.681,96.492 ; 113.108,78.5 C5.1@113.642,77.385 ; 137.194,99.044 C6.1@138.271,99.044 ; D1.7@149.64,93.45 150.396,93.45 ; C46.1@150.622,112.715 150.622,113.792 ; 168.992,96.492 C7.1@170.181,96.492 ; C25.1@180.632,59.457 180.632,61.042 C26.1@180.632,62.5 ; 186.608,78.5 C8.1@187.142,77.385 ; 191.907,50.628 C23.1@192.885,50.628 ; D2.26@192.57,54.974 192.57,56.724 v1(192.95,57.104) ; 197.65,67.928 v1(198.257,68.535) ; 200.162,59.264 D2.7@201.94,59.264 ; 200.162,60.534 D2.8@201.94,60.534 ; v1(217.88,95.12) 218.36,95.6 X8.50@220.2,95.6 ; X8.34@220.2,89.2 221.8,89.2 ; X8.36@220.2,90 221.8,90 ; X8.38@220.2,90.8 221.8,90.8 ; C13.2@232.515,106.683 234.162,106.683 234.84,107.36 v1(234.84,108.4) R38.2@232.515,108.4 ; C14.1@238.595,106 v1(240.6,106)
  Top Layer w0.4: V6.4@20.096,94.235 21.992,96.497 ; v1(23.876,105.156) R5.2@23.876,107.544 ; V5.4@37.337,75.288 38.5,78.505 39.608,78.505 ; 38.608,61.468 39.116,61.976 39.878,61.976 ; v1(39.878,62.992) 39.878,61.976 ; 41.402,61.468 40.894,61.976 39.878,61.976 ; C2.4.2@46.287,106.02 47.44,106.02 47.9,106.48 v1(47.9,107.32) ; C2.3.2@46.287,108.56 47.44,108.56 47.9,109.02 v1(47.9,109.86) ; C2.2.2@46.287,111.1 47.44,111.1 47.9,111.56 v1(47.9,112.4) ; C2.1.2@46.287,113.64 47.44,113.64 47.9,114.1 v1(47.9,114.94) ; V4.4@93.596,94.23 95.492,96.492 ; V3.4@110.837,75.283 112,78.5 113.108,78.5 ; 137.194,99.044 v1(137.194,100.568) ; X5.6@143.764,113.284 148.59,113.284 149.098,113.792 150.622,113.792 ; 150.396,93.45 v1(151.672,93.45) ; V2.4@167.096,94.23 168.992,96.492 ; 180.632,61.042 v1(182.156,61.042) ; V1.4@184.338,75.283 185.5,78.5 186.608,78.5 ; v1(191.24,51.92) 191.24,51.295 191.907,50.628 ; D2.14@197.65,66.094 197.65,67.928 ; v1(199.019,59.899) 200.035,59.899 ; 200.162,59.264 200.035,59.391 200.035,59.899 ; 200.162,60.534 200.035,60.407 200.035,59.899 ; v1(205.221,80.96) R34.1@207.315,80.96 ; X9.14@219.2,68.4 X9.16@220,68.4 X9.18@220.8,68.4 X9.20@221.6,68.4 X9.22@222.4,68.4 ; 221.8,90.8 221.8,90 221.8,89.2 221.8,88.8 v1(222.36,88.24) ; v1(222.4,70.4) X9.22@222.4,68.4 ; X9.30@225.6,68.4 X9.28@224.8,68.4 X9.26@224,68.4 X9.24@223.2,68.4 X9.22@222.4,68.4 ; R31.1@242.2,91.28 243.4,91.28 243.8,91.68 243.8,93.68 ; R30.1@242.2,93.68 243.8,93.68 ; R29.1@242.2,96.08 243.8,96.08 ; R28.1@242.2,98.48 243.8,98.48 ; R27.1@242.2,100.88 243.8,100.88 ; R26.1@242.2,103.28 243.32,103.28 243.8,102.8 243.8,100.88 ; v1(243.16,82.8) C15.1@243.16,84.805 ; v1(245,96.08) 243.8,96.08 ; v1(245,98.48) 243.8,98.48 ; v1(245,100.88) 243.8,100.88 ; 243.8,93.68 243.8,96.08 ; 243.8,96.08 243.8,98.48 ; 243.8,98.48 243.8,100.88
  other v1: 210.09,52.253 210.879,53.042 211.669,53.831 212.458,54.621 213.247,55.41 251.648,72.193 251.648,74.479 251.648,76.765 251.648,79.051 251.648,81.337
DSTI: D2.15 X9.7 | length 30.8
  Top Layer w0.3: X9.7@216.7,64 X9.7@216.8,64
  Top Layer w0.4: D2.15@196.38,66.094 196.38,69.145 198.335,71.1 202.5,71.1 212.4,61.2 216,61.2 216.8,62 X9.7@216.8,64
DSTO: D2.16 X9.5 | length 31.2
  Top Layer w0.4: D2.16@195.11,66.094 195.11,70.01 197.029,71.929 203.471,71.929 213.2,62.2 215.586,62.2 215.95,62.564 215.95,63.95 X9.5@216,64
F0: D2.10 X9.9 | length 20.1
  Top Layer w0.4: D2.10@201.94,63.074 204.7,63.074 207.674,60.1 216.5,60.1 217.6,61.2 X9.9@217.6,64
HSPKR+: C152.2 R67.1 X9.33 | length 118.7
  Top Layer w0.4: C152.2@139.6,20.655 139.712,20.767 R67.1@141.732,20.767 141.732,21.432 145.254,24.954 163.354,24.954 178.9,40.5 v1(222.6,40.5) ; v1(227.1,47.1) 227.2,47.2 X9.33@227.2,64
  Bottom Layer w0.4: v1(222.6,40.5) 222.6,45.414 224.286,47.1 v1(227.1,47.1)
HSPKR-: R66.1 X9.31 | length 108.6
  Top Layer w0.4: R66.1@147.574,22.291 147.574,23.274 148.554,24.254 163.644,24.254 178.79,39.4 v1(220.2,39.4) ; v1(226.2,60.5) 226.35,60.65 226.35,63.95 X9.31@226.4,64
  Bottom Layer w0.4: v1(220.2,39.4) 220.2,46.4 227.6,53.8 227.6,59.1 v1(226.2,60.5)
I\N\T\0\: R33.2 X8.23 X9.59 | length 36.6
  Top Layer w0.3: X8.23@224.6,85.2 226.2,85.2 ; 232.6,84.4 R33.2@233.645,84.4
  Top Layer w0.4: 226.2,85.2 227.24,85.2 227.64,85.6 231.4,85.6 232.6,84.4 232.6,83.2 241,74.8 241,64.7 240.3,64 X9.59@237.6,64
I\N\T\1\: R32.2 X4.6 X8.25 | length 103.6
  Top Layer w0.3: X8.25@224.6,86 226.2,86 ; 231.72,86.4 R32.2@233.645,86.4
  Top Layer w0.4: X4.6@173.736,113.284 175.26,114.808 186.512,114.808 197.64,103.68 211.48,103.68 218.6,110.8 v1(234.04,110.8) ; 226.2,86 226.84,86 227.24,86.4 231.72,86.4 v1(233.32,88)
  Bottom Layer w0.4: v1(233.32,88) 233.32,91.36 234.36,92.4 234.36,95.6 233.72,96.24 233.72,108.88 234.04,109.2 v1(234.04,110.8)
IN1: C2.1.1 R4.2 X8.9 | length 258
  Top Layer w0.3: X8.9@224.6,79.6 226.6,79.6
  Top Layer w0.4: R4.2@35.084,112.192 35.084,111.344 35.684,110.744 37.116,110.744 38.64,112.268 41.028,112.268 v1(42.4,113.64) C2.1.1@44.377,113.64 ; 226.6,79.6 v1(231.48,79.6)
  Bottom Layer w0.4: v1(42.4,113.64) 45.76,117 129.8,117 139.104,107.696 196.824,107.696 198.68,105.84 210.36,105.84 220.84,116.32 232.28,116.32 232.28,84.715 232.28,83.36 233.8,81.84 233.8,80.24 233.16,79.6 v1(231.48,79.6)
IN2: C2.2.1 R6.2 X8.11 | length 252.3
  Top Layer w0.3: X8.11@224.6,80.4 226.6,80.4
  Top Layer w0.4: R6.2@39.148,110.668 39.148,109.728 39.656,109.22 40.52,109.22 v1(42.4,111.1) C2.2.1@44.377,111.1 ; 226.6,80.4 229.92,80.4 230.16,80.64 v1(232.76,80.64)
  Bottom Layer w0.4: v1(42.4,111.1) 48.8,111.1 50.3,109.6 107.1,109.6 113.8,116.3 129.2,116.3 138.566,106.934 139.3,106.934 196.546,106.934 198.36,105.12 210.76,105.12 221.16,115.52 231.56,115.52 231.56,84.715 231.56,83.04 232.76,81.84 v1(232.76,80.64)
IN3: C2.3.1 R7.2 X8.13 | length 252.8
  Top Layer w0.3: X8.13@224.6,81.2 226.6,81.2
  Top Layer w0.4: R7.2@35.084,106.096 35.084,105.156 35.592,104.648 37.116,104.648 38.64,106.172 40.012,106.172 v1(42.4,108.56) C2.3.1@44.377,108.56 ; 226.6,81.2 227.08,81.68 v1(231.48,81.68)
  Bottom Layer w0.4: v1(42.4,108.56) 107.36,108.56 114.4,115.6 128.5,115.6 137.928,106.172 140.1,106.172 196.268,106.172 198.04,104.4 211.08,104.4 221.48,114.8 230.84,114.8 230.84,84.32 230.84,82.32 v1(231.48,81.68)
IN4: C2.4.1 C44.2 R8.2 R91.1 X8.35 | length 309.9
  Top Layer w0.3: 41.402,56.896 C44.2@41.402,58.545 ; X8.35@224.6,90 226.28,90
  Top Layer w0.4: R8.2@39.148,104.572 39.148,103.632 39.656,103.124 40.876,103.124 42.4,104.648 v1(42.4,106.02) C2.4.1@44.377,106.02 ; R91.1@41.402,44.018 41.402,56.896 42.672,58.166 42.672,70.337 45.322,72.986 45.322,78.342 61.4,94.42 v1(61.4,106) ; 226.28,90 v1(229.8,90)
  Bottom Layer w0.4: v1(42.4,106.02) 42.42,106 v1(61.4,106) 106.4,106 115.1,114.7 127.9,114.7 137.19,105.41 195.91,105.41 197.64,103.68 211.48,103.68 221.88,114.08 230.12,114.08 230.12,91.76 229.8,91.44 v1(229.8,90)
IN5: C45.2 R92.1 X8.37 | length 296.9
  Top Layer w0.3: 38.608,56.896 C45.2@38.608,58.545 ; X8.37@224.6,90.8 226.28,90.8
  Top Layer w0.4: R92.1@38.608,44.018 38.608,56.896 37.338,58.166 37.338,66.346 44.566,73.574 44.566,80.634 58.6,94.668 58.6,108.4 66.532,116.332 187.148,116.332 198.36,105.12 210.76,105.12 218.84,113.2 v1(235.268,113.2) ; 226.28,90.8 229,90.8 229.24,91.04 v1(235.334,91.04)
  Bottom Layer w0.4: v1(235.268,113.2) 235.64,112.828 235.64,110.72 235.96,110.4 235.96,105.68 235.32,105.04 235.32,91.054 v1(235.334,91.04)
KEY1: D1.2 X8.22 | length 87.3
  Top Layer w0.3: D1.2@143.29,93.45 v1(143.29,95.13) ; 218.6,84.4 X8.22@220.2,84.4
  Top Layer w0.4: v1(188.6,84.4) 191.3,87.1 204.7,87.1 207.4,84.4 218.6,84.4
  Bottom Layer w0.4: v1(143.29,95.13) 152.942,95.13 154.84,97.028 169.418,97.028 177.546,88.9 184.9,88.9 188.6,85.2 v1(188.6,84.4)
KEY2: D1.4 X8.24 | length 83.9
  Top Layer w0.3: D1.4@145.83,93.45 145.83,94.57 ; 218.6,85.2 X8.24@220.2,85.2
  Top Layer w0.4: 145.83,94.57 v1(145.83,96.25) ; v1(188.6,86.8) 189.7,87.9 205.6,87.9 208.3,85.2 218.6,85.2
  Bottom Layer w0.4: v1(145.83,96.25) 152.763,96.25 154.303,97.79 169.672,97.79 177.8,89.662 185.738,89.662 v1(188.6,86.8)
KEY3: D1.6 X8.26 | length 81.4
  Top Layer w0.3: D1.6@148.37,93.45 148.37,94.57 ; 218.6,86 X8.26@220.2,86
  Top Layer w0.4: 148.37,94.57 v1(148.37,97.37) ; v1(188.6,88.8) 207.1,88.8 209.9,86 218.6,86
  Bottom Layer w0.4: v1(148.37,97.37) 152.688,97.37 153.87,98.552 169.926,98.552 178.054,90.424 186.976,90.424 v1(188.6,88.8)
KEY4: D1.8 X8.28 | length 78.5
  Top Layer w0.3: D1.8@149.64,99.05 149.64,100.06 ; 218.68,86.8 X8.28@220.2,86.8
  Top Layer w0.4: 149.64,100.06 151.356,101.776 153.069,101.776 168.734,101.776 178.91,91.6 206.92,91.6 211.72,86.8 218.68,86.8
KEY5: D1.10 X8.30 | length 82.2
  Top Layer w0.3: D1.10@147.1,99.05 147.1,100.06 ; 218.68,87.6 X8.30@220.2,87.6
  Top Layer w0.4: 147.1,100.06 147.1,101.576 148,102.476 169.05,102.476 179.126,92.4 207.24,92.4 212.04,87.6 218.68,87.6
KEY6: D1.12 X8.32 | length 85.5
  Top Layer w0.3: D1.12@144.56,99.05 144.56,100.06 ; 218.6,88.4 X8.32@220.2,88.4
  Top Layer w0.4: 144.56,100.06 144.56,102.537 145.199,103.176 147.862,103.176 169.366,103.176 179.342,93.2 207.48,93.2 212.28,88.4 218.6,88.4